# KiCad board RUSP_Mainboard.kicad_pcb (continued)
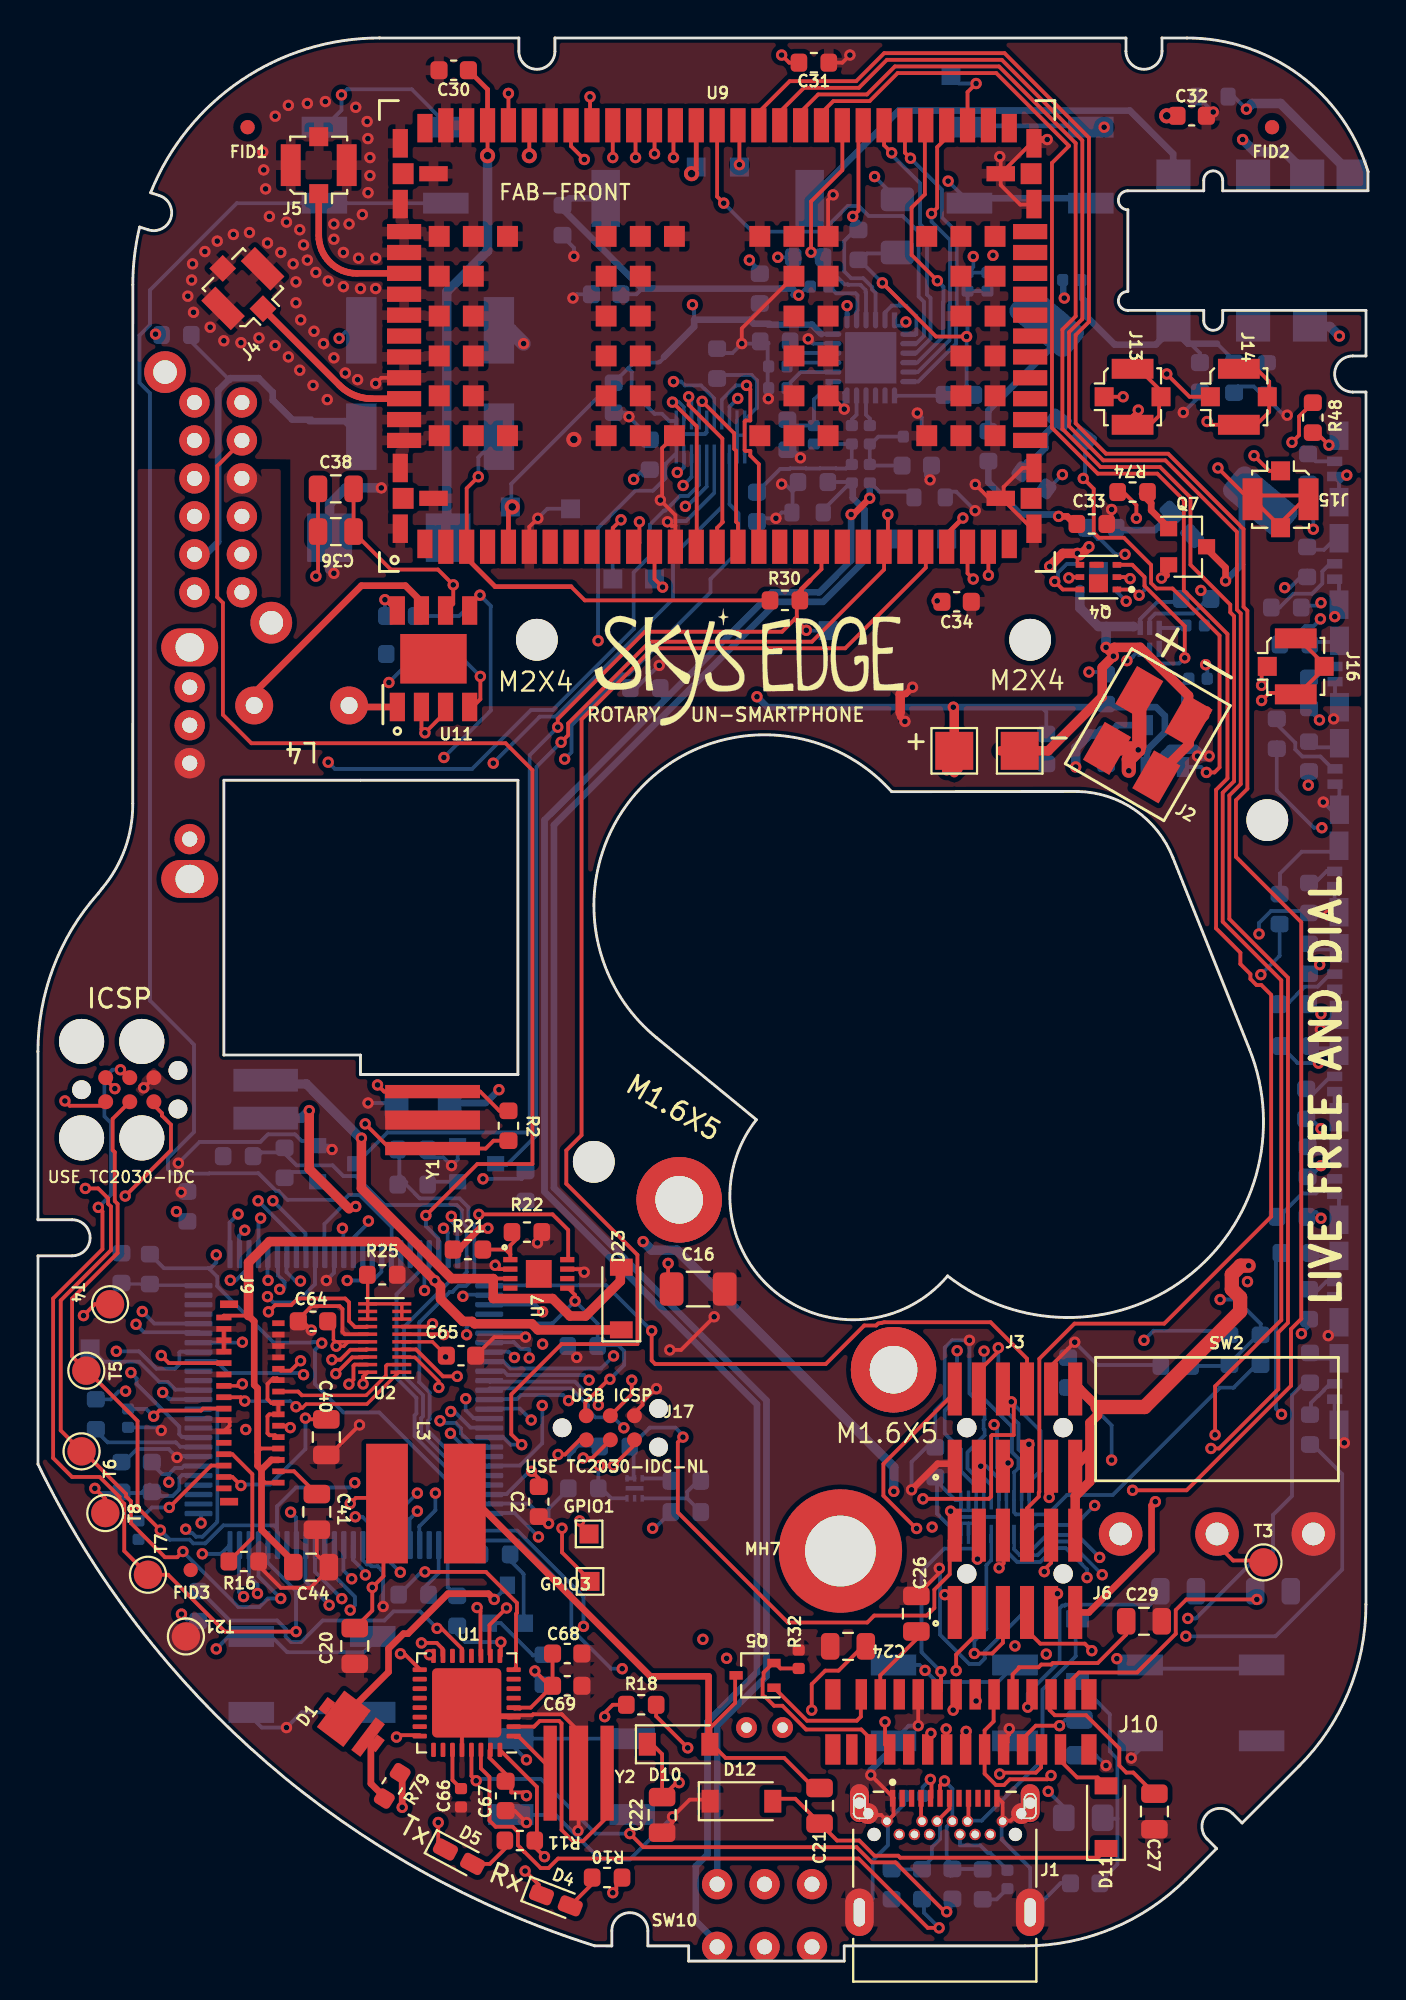
[diagram p0: board, top side]
## Routing (per net, layer and track width the routed paths; a pad name or vN(x,y) marks a point on that pad's centre or on a via; arc(x,y) is an arc through that point) (continued)
/LED_1R: length 70.3
  L2_3v3+GNDA.Cu w0.2: v1(60.61,18.05) 60.24,17.67 53.16,17.67 52.93,17.9 48.75,17.9 48.55,17.7 45.71,17.7 44.42,16.4 38.98,16.4 36.02,19.35 28.25,19.35 24.8,15.9 21.7,15.9 21.04,15.24 18.7,15.24 15.9,18.04 15.9,18.98 v1(16.02,19.09)
  L6_GND.Cu w0.2: 65.1,21.4 65.1,23.5 66.1,24.5 66.1,29.81 67.05,30.77 ; 14.6,21.95 14.6,20.51 v1(16.02,19.09) ; v1(60.61,18.05) 61.04,18.05 64.37,21.38 65.1,21.38
/LED_2A: length 70.1
  L2_3v3+GNDA.Cu w0.2: v1(16.46,18.49) 16.46,17.97 18.85,15.59 20.9,15.59 21.56,16.25 24.65,16.25 28.11,19.7 36.17,19.7 39.12,16.75 44.27,16.75 45.57,18.05 48.4,18.05 48.6,18.25 53.08,18.25 53.3,18.02 55.82,18.02 60,22.2 60,22.9 62.2,25.1 63.4,25.1 66.6,28.3 v1(66.6,33.05)
  L6_GND.Cu w0.2: 15.1,21.95 15.1,20.8 16.71,19.19 16.71,18.74 v1(16.46,18.49) ; 67.1,34 67.1,33.55 v1(66.6,33.05)
/LED_2R: length 67.6
  L2_3v3+GNDA.Cu w0.2: v1(65.55,28.8) 65.13,28.8 59.65,23.32 59.65,22.34 55.68,18.37 53.45,18.37 53.22,18.6 48.46,18.6 48.26,18.4 45.43,18.4 44.13,17.1 39.27,17.1 36.31,20.05 22.08,20.05 21.29,19.26 18.01,19.26 17.89,19.13 17.33,19.13 17.05,19.41 17.05,19.63 v1(16.54,20.14)
  L6_GND.Cu w0.2: 16.1,21.95 16.1,20.58 v1(16.54,20.14) ; v1(65.55,28.8) 65.25,29.1 65.25,37.15 65.5,37.4
/LED_3A: length 68.7
  L2_3v3+GNDA.Cu w0.2: v1(67.63,39.13) 67.63,34.87 65.41,32.64 65.41,29.8 59.1,23.49 59.1,22.29 55.54,18.73 53.59,18.73 53.37,18.95 48.26,18.95 48.06,18.75 45.28,18.75 43.98,17.45 39.41,17.45 36.46,20.4 21.17,20.4 20.46,19.7 18.52,19.7 17.88,20.34 v1(17.26,20.34)
  L6_GND.Cu w0.2: 67.1,39.45 67.38,39.45 67.63,39.2 v1(67.63,39.13) ; 16.6,21.9 16.6,21.14 17.26,20.48 v1(17.26,20.34)
/LED_3R: length 83
  L3_3v8+GNDA.Cu w0.2: v1(10.9,38.5) 13.7,38.5 14.15,38.05 16.11,38.05 17.81,36.35 18.95,36.35 19.83,35.47 19.83,35.1 20.15,34.77 20.53,34.77 21.94,33.36 21.94,32.15 22.65,31.44 22.65,30.65 25.55,27.75 25.73,27.75 26.05,27.43 26.05,27.25 27.94,25.36 33.62,25.36 33.89,25.63 46.57,25.63 47.95,24.25 48.33,24.25 48.63,23.95 52.02,23.95 56.52,28.45 65.09,28.45 65.29,28.25 66.37,28.25 69.05,30.93 69.05,40.48 v1(67.63,41.9)
  L6_GND.Cu w0.2: v1(10.9,38.5) 10.6,38.2 10.6,37.25 ; v1(67.63,41.9) 67.29,41.56 67.1,41.56 ; 67.25,41.55 66.9,41.2
/LED_4A: length 77.4
  L2_3v3+GNDA.Cu w0.2: v1(67.63,43.85) 68.18,43.3 68.18,41.07 67.08,39.97 67.08,34.87 60.44,28.23 56.53,28.23 53.27,24.97 53.08,24.97 52.75,24.65 52.75,24.58 52.52,24.35 49.25,24.35 48.15,25.45 35.16,25.45 34.11,24.4 29.97,24.4 29.91,24.46 24.21,24.46 21.37,27.3 19.19,27.3 17.19,29.3 15.4,29.3 14,30.7 v1(14,30.89)
  L6_GND.Cu w0.2: 67.1,44.38 v1(67.63,43.85) ; v1(14,30.89) 13.91,30.98 10.02,30.98 9.4,31.6 8.45,31.6
/LED_4R: length 69.2
  L2_3v3+GNDA.Cu w0.2: v1(67.5,47.3) 67.02,46.82 67.02,40.41 66.63,40.01 66.63,34.91 60.29,28.58 56.38,28.58 53.12,25.32 52.93,25.32 52.31,24.7 49.4,24.7 48.3,25.8 35.01,25.8 33.96,24.75 30.12,24.75 30.05,24.81 25.89,24.81 v1(21.76,28.95)
  L6_GND.Cu w0.2: 23.75,28.1 22.8,28.1 21.95,28.95 v1(21.76,28.95) ; 65.5,48.2 66.4,47.3 v1(67.5,47.3)
/LED_5A: length 69.5
  L2_3v3+GNDA.Cu w0.2: v1(67.63,49.9) 67.21,49.9 66.95,49.64 66.95,48.17 66.67,47.9 66.67,40.55 66.28,40.15 66.28,35.06 60.15,28.93 56.24,28.93 52.98,25.67 52.79,25.67 52.16,25.05 49.54,25.05 48.44,26.15 34.87,26.15 33.82,25.1 30.26,25.1 30.2,25.16 27.43,25.16 27.43,25.27 26.05,26.65 26.05,27.43 23.85,29.62 v1(22.55,29.62)
  L6_GND.Cu w0.2: v1(22.55,29.62) 22.55,29.01 22.96,28.6 23.75,28.6 ; v1(67.63,49.9) 67.23,50.3 67.05,50.3
/LED_5R: length 67
  L2_3v3+GNDA.Cu w0.2: v1(26,28.5) 26,27.97 26.4,27.57 26.4,26.9 27.79,25.51 30.34,25.51 30.41,25.45 33.67,25.45 34.72,26.5 49.21,26.5 49.43,26.72 50.8,26.72 53.36,29.28 60,29.28 65.93,35.2 65.93,40.3 66.32,40.69 66.32,51.25 v1(67.56,52.49)
  L6_GND.Cu w0.2: v1(67.56,52.49) 67.39,52.31 67,52.31 ; v1(26,28.5) 25.4,29.1 23.75,29.1
/LED_6A: length 70.6
  L2_3v3+GNDA.Cu w0.2: v1(64.36,54.11) 65.97,52.49 65.97,40.84 65.58,40.44 65.58,35.35 59.86,29.63 52.79,29.63 50.27,27.12 49.34,27.12 49.12,26.9 34.63,26.9 33.59,25.86 31.97,25.86 30.01,27.83 30.01,28.36 29.72,28.64 28.85,28.64 v1(27.97,29.52)
  L6_GND.Cu w0.2: v1(27.97,29.52) 27.67,29.82 25.46,29.82 25.24,29.6 23.75,29.6 ; 66.72,55.32 65,55.32 64.36,54.68 v1(64.36,54.11)
/LED_6R: length 67.6
  L2_3v3+GNDA.Cu w0.2: v1(30.88,28.09) 30.88,27.67 32.33,26.21 33.45,26.21 34.48,27.25 46.88,27.25 49.64,30.01 59.74,30.01 65.15,35.42 65.15,40.51 65.62,40.98 65.62,50.8 v1(64.46,51.96)
  L6_GND.Cu w0.2: 23.75,30.1 23.82,30.17 28.1,30.17 28.99,29.28 28.99,29.04 29.39,28.64 30.33,28.64 v1(30.88,28.09) ; R62.2 65.45,52.95 v1(64.46,51.96)
/LED_7A: length 78.1
  L2_3v3+GNDA.Cu w0.2: v1(29.54,29.29) 29.57,29.29 30.11,28.75 31.28,28.75 31.77,28.26 33.06,28.26 33.1,28.3 34.3,28.3 35,27.6 46.73,27.6 49.49,30.36 59.6,30.36 64.8,35.56 64.8,40.65 65.27,41.13 65.27,50.65 64.52,51.41 64.23,51.41 63.8,51.84 63.8,55.82 v1(67.68,59.7)
  L6_GND.Cu w0.2: 23.75,30.6 23.83,30.52 28.31,30.52 v1(29.54,29.29) ; 65.3,64.2 65.3,61.65 67.25,59.7 v1(67.68,59.7)
/LED_7R: length 75.7
  L2_3v3+GNDA.Cu w0.2: v1(66.96,61.94) 66.96,60.13 63.45,56.62 63.45,51.7 64.09,51.06 64.34,51.06 64.92,50.48 64.92,41.27 64.45,40.8 64.45,35.71 59.45,30.71 49.35,30.71 46.59,27.95 42.71,27.95 42.45,28.2 36.7,28.2 35.2,29.7 33.83,29.7 32.83,30.7 32.37,30.7 31.37,29.7 29.95,29.7 v1(29.05,30.6)
  L6_GND.Cu w0.2: v1(29.05,30.6) 28.79,30.87 24.76,30.87 24.53,31.1 23.75,31.1 ; 67,62.96 67,61.98 v1(66.96,61.94)
/LED_8A: length 86.4
  L3_3v8+GNDA.Cu w0.2: v1(25.12,31.79) 25.12,31.6 27.74,28.97 28.2,28.97 28.36,29.14 31.79,25.71 33.48,25.71 33.75,25.98 46.71,25.98 48.09,24.6 48.48,24.6 48.78,24.3 51.87,24.3 56.67,29.1 64.96,29.1 67.15,31.29 67.15,33.29 67.05,33.39 67.05,42.11 67.71,42.77 68.04,42.77 68.92,43.65 68.92,64 v1(67.55,65.37)
  L6_GND.Cu w0.2: v1(25.12,31.79) 24.81,32.1 23.75,32.1 ; 67,65.92 v1(67.55,65.37)
/LED_8R: length 93.6
  L3_3v8+GNDA.Cu w0.2: v1(25.9,31.77) 26.65,31.77 28.84,29.57 28.84,29.19 31.97,26.06 33.33,26.06 33.6,26.33 46.87,26.33 48.25,24.95 48.62,24.95 48.92,24.65 51.73,24.65 53.18,26.1 53.18,28.6 54.03,29.45 62.21,29.45 66.69,33.93 66.69,42.24 67.56,43.12 67.9,43.12 68.57,43.79 68.57,61.11 67,62.68 67,70.1 v1(67.6,70.7)
  L6_GND.Cu w0.2: v1(25.9,31.77) 25.9,32.19 25.84,32.25 25.44,32.25 25.09,32.6 23.75,32.6 ; v1(67.6,70.7) 67.53,70.7 67.53,70.6 67.25,70.32 66.8,70.32 66.43,69.95 66.1,69.95 65.5,69.35
/LED_9A: length 99
  L3_3v8+GNDA.Cu w0.2: v1(67.63,71.55) 66.28,70.2 66.28,34.01 62.07,29.8 53.88,29.8 50.48,26.4 50.14,26.4 49.92,26.62 49.47,26.62 49.25,26.4 47.9,26.4 47.25,27.05 39.31,27.05 30.68,35.68 22.69,35.68 21.66,36.7 17.95,36.7 v1(16.05,38.6)
  L6_GND.Cu w0.2: v1(16.05,38.6) 16.1,38.55 16.1,37.25 ; 66.8,71.4 67.48,71.4 v1(67.63,71.55)
/LED_9R: length 110
  L3_3v8+GNDA.Cu w0.2: v1(65.72,72.35) 63.01,69.64 63.01,54.73 63.81,53.92 63.81,53.88 64.14,53.56 64.18,53.56 65.89,51.85 65.89,34.12 61.92,30.15 53.74,30.15 50.34,26.75 50.29,26.75 50.07,26.97 49.32,26.97 49.1,26.75 48.15,26.75 47.5,27.4 39.45,27.4 29.81,37.05 27.35,37.05 26.88,36.58 25.78,36.58 25.11,37.25 18.37,37.25 14.87,40.75 11.53,40.75 10.55,39.77 v1(10.55,39.35)
  L6_GND.Cu w0.2: v1(65.72,72.35) 66,72.35 66.9,73.25 ; 10.1,37.25 10.1,38.9 v1(10.55,39.35)
/LED_10A: length 100.7
  L3_3v8+GNDA.Cu w0.2: v1(67.23,75.42) 67.23,75 62.66,70.43 62.66,54.54 65.54,51.66 65.54,34.54 64.25,33.25 37.11,33.25 35.87,34.49 34.42,34.49 28.51,40.39 18.83,40.39 v1(17.42,38.98)
  L6_GND.Cu w0.2: v1(17.42,38.98) 17.42,38.88 16.6,38.06 16.6,37.25 ; 67.05,77.85 67.05,77.05 67.23,76.88 v1(67.23,75.42)
/LED_10R: length 95.4
  L1_GND+GNDA.Cu w0.2: R48.2 66.47,81.36 66.47,80.37 v1(66.1,80)
  L2_3v3+GNDA.Cu w0.2: v1(30.34,31.88) 31.34,31.88 31.62,31.6 40.46,31.6 43.76,28.3 46.44,28.3 49.21,31.06 59.31,31.06 63.76,35.51 v1(63.76,35.79)
  L3_3v8+GNDA.Cu w0.2: v1(66.1,80) 66.1,74.52 62.31,70.73 62.31,54.19 64.11,52.39 63.91,52.19 63.91,50.6 65.15,49.36 65.15,37.18 v1(63.76,35.79)
  L6_GND.Cu w0.2: 23.75,31.6 24.52,31.6 24.9,31.22 29.68,31.22 v1(30.34,31.88)
/LED_BELL: length 1.4
  L6_GND.Cu w0.2: 22.1,21.95 23.05,21.95 23.4,21.6
/LED_FILAMENT: length 89.9
  L1_GND+GNDA.Cu w0.2: v1(57.9,76) 57.9,76.69 57.21,77.38
  L4_GND.Cu w0.2: 23.9,40.65 23.25,40.65 22.34,39.74 22.34,38.68 18.25,34.58 14.37,34.58 13.5,33.71 13.5,32.4 12.1,31 7.62,31 v1(6.58,29.95) ; 23.86,40.61 27.45,44.2 27.45,61.49 28.62,62.67 28.62,69.93 32.7,74.01 53.69,74.01 55.38,75.7 57.6,75.7 v1(57.9,76)
  L6_GND.Cu w0.2: 8.45,29.6 6.93,29.6 v1(6.58,29.95)
/LED_STAT: length 99.7
  L4_GND.Cu w0.2: v1(57.3,74.1) 54.15,70.95 53,70.95 52.9,71.05 30.24,71.05 28.97,69.79 28.97,62.52 27.8,61.35 27.8,44.01 23.67,39.88 22.98,39.88 22.69,39.6 22.69,36.83 20.63,34.77 20.63,34.33 19.7,33.4 19.7,31.9 15.92,28.12 15.05,28.12 12.53,25.6 10.35,25.6 7.79,23.04 v1(7.79,22.75)
  L6_GND.Cu w0.2: v1(57.3,74.1) 56.8,74.1 56,74.9 55.86,74.9 R44.2 ; v1(7.79,22.75) 7.99,22.55 8.14,22.55 8.33,22.35 8.68,22.35 9.45,23.13 9.45,29.05 9.4,29.1 8.7,29.1
/MCURX-TO-FTDITX: length 2.8
  L6_GND.Cu w0.2: 21.6,21.9 21.6,19.7 22.05,19.25
/MCUTX-TO-FTDIRX: length 2.7
  L6_GND.Cu w0.2: 20.29,19.6 21.12,20.44 U4.3
/MISO: length 98.6
  L1_GND+GNDA.Cu w0.2: T6.1 1.2,27.95 1.2,34.8 3.85,37.45 3.85,39.74 3.7,39.89 3.7,40.18 3.18,40.7 v1(2.5,40.7) ; 2.35,26.9 4.65,24.6 4.65,24.48 4.9,24.22 4.9,23.07 6.69,21.27 7.34,21.27 v1(7.64,21.57) ; v1(51.14,26.24) 50.96,26.06 J3.5 ; J7.1 3.36,45.05 1.67,45.05 v1(1.42,45.31)
  L2_3v3+GNDA.Cu w0.2: v1(2.5,40.7) 3.9,42.1 3.9,44 2.85,45.05 1.67,45.05 v1(1.42,45.31) ; v1(51.5,16.6) 50.95,17.15 48.98,17.15 48.84,17 46,17 44.71,15.7 38.13,15.7 35.18,18.65 28.66,18.65 25.2,15.2 21.99,15.2 21.33,14.54 17.79,14.54 13.22,19.1 v1(12.8,19.1)
  L5_3v8.Cu w0.2: 51.45,16.85 51.45,16.5 ; 51.45,16.85 51.45,16.85 ; 51.45,16.85 51.45,19.6 51.62,19.77 51.62,25.75 v1(51.14,26.24)
  L6_GND.Cu w0.2: U4.22 11.62,20.28 v1(12.8,19.1) 12.13,19.1 11.68,18.65 10.57,18.65 v1(7.64,21.57)
/MOSI: length 134
  L1_GND+GNDA.Cu w0.2: J3.4 49.59,31.08 50.62,32.11 v1(50.62,32.31) ; v1(4.35,46.95) 4.77,46.53 J7.4 ; v1(3.18,39.7) 3.4,39.49 3.4,37.5 0.8,34.9 0.8,26.5 1.8,25.5 3.26,25.5 4.3,24.46 4.3,24.33 4.55,24.08 4.55,21.6 T7.1 6.86,20.35 9.86,17.36 v1(13.61,17.36) ; v1(12.15,34.2) 12.5,34.55 13.35,34.55 13.7,34.9 16.2,34.9 16.4,34.7 16.4,33.71 16.71,33.4 17.3,33.4 17.32,33.42 U2.14
  L2_3v3+GNDA.Cu w0.2: v1(12.15,34.2) 12.3,34.05 12.3,30.6 12.16,30.46 12.16,18.8 v1(13.61,17.36) 17.48,13.48 21.76,13.48 22.43,14.15 26.96,14.15 28.76,15.95 34.05,15.95 v1(35.05,16.95)
  L3_3v8+GNDA.Cu w0.2: v1(47.13,22.86) 47.13,22.44 46.45,21.75 46.45,19.55 44.15,17.25 35.35,17.25 v1(35.05,16.95)
  L5_3v8.Cu w0.2: v1(50.62,32.31) 50.62,28.87 50.95,28.54 50.95,28 49.57,26.62 49.44,26.62 47.28,24.45 47.28,24.18 47.21,24.11 47.21,22.93 v1(47.13,22.86)
  L6_GND.Cu w0.18: U8.19 51.85,25.64
  L6_GND.Cu w0.2: v1(13.61,17.36) 13.61,19.49 12.1,21 12.1,21.95 ; v1(50.62,32.31) 50.62,29.37 51.68,28.3 51.68,26.96 52.04,26.61 52.04,25.83 51.85,25.64 ; v1(4.35,46.95) 3.93,46.95 3.5,46.53 3.5,44.5 3.85,44.15 3.85,40.37 v1(3.18,39.7)
/NET_STAT: length 70.6
  L1_GND+GNDA.Cu w0.2: U9.25 46.8,73.4 42.55,69.15 32.4,69.15 28.65,65.4 28.65,43.5 27.85,42.7 27.85,40.95 31.6,37.2 31.6,32.5 27.6,32.5 24.95,29.85 24.95,27.75 v1(25.5,27.2) ; 46.8,73.9 46.8,74.7
  L6_GND.Cu w0.2: v1(25.5,27.2) 24.92,27.2 24.5,27.62 23.83,27.62
/OFFSIGNAL: length 62.4
  L1_GND+GNDA.Cu w0.2: 10.8,80.1 9.45,78.75 9.45,71.85 9.75,71.55 9.75,65.65 11.25,64.15 24.65,64.15 26.07,62.73 26.07,41.99 23.16,41.99 v1(20.45,39.27)
  L6_GND.Cu w0.2: v1(20.45,39.27) 20.45,38.71 21.1,38.06 21.1,37.25
/OLED DRIVER/OLED_CS_3V3: length 10.3
  L1_GND+GNDA.Cu w0.18: v1(13.6,29.2) 13.82,29.2 13.88,29.14 13.94,29.14 14.14,29.34 17.34,29.34 19.02,31.02 U2.1
  L1_GND+GNDA.Cu w0.2: J9.17 10.7,29.7 v1(10.9,29.5)
  L6_GND.Cu w0.18: v1(13.6,29.2) 13.3,29.5 v1(10.9,29.5)
/OLED DRIVER/OLED_DC_3V3: length 14.9
  L1_GND+GNDA.Cu w0.18: v1(21.13,30.22) 21.13,30.54 19.87,31.8 19.3,31.8 19.28,31.82 U2.3 ; J9.19 10.5,30.3 10.6,30.4 v1(10.78,30.4)
  L3_3v8+GNDA.Cu w0.18: v1(10.78,30.4) 11.28,29.9 15.08,29.9 15.48,29.5 17.56,29.5 18.08,30.03 18.53,30.03 18.56,30 20.91,30 v1(21.13,30.22)
/OLED DRIVER/OLED_IREF: length 7
  L1_GND+GNDA.Cu w0.2: R16.1 11.3,22.29 11.3,25.65 10.25,26.7 J9.7
/OLED DRIVER/OLED_MOSI_3V3: length 20.7
  L1_GND+GNDA.Cu w0.2: v1(6.5,31.9) 6.9,31.5 J9.23 ; U2.7 20.65,33.42 v1(20.8,33.57)
  L3_3v8+GNDA.Cu w0.2: v1(20.8,33.57) 20.07,34.3 13.7,34.3 13.3,33.9 12.63,33.9 11.88,33.15 8.85,33.15 7.6,31.9 v1(6.5,31.9)
/OLED DRIVER/OLED_RES_3V3: length 7.6
  L1_GND+GNDA.Cu w0.18: 13.91,29.8 17.3,29.8 18.34,30.84 18.34,31.35 18.41,31.42 U2.2
  L1_GND+GNDA.Cu w0.2: J9.18 13.71,30 13.91,29.8
/OLED DRIVER/OLED_SCL_3V3: length 14.6
  L1_GND+GNDA.Cu w0.2: v1(22.1,30.8) 21.35,30.8 19.93,32.22 U2.4 ; v1(13.84,31.62) 13.32,31.1 12.8,31.1 12.7,31.2 J9.22
  L3_3v8+GNDA.Cu w0.2: v1(22.1,30.8) 18.38,30.8 17.42,29.84 15.62,29.84 14.55,30.91 14.55,31.12 14.23,31.44 14.03,31.44 13.76,31.7
/OLED DRIVER/OLED_VCOMH: length 2.5
  L1_GND+GNDA.Cu w0.2: J9.4 13.5,25.8 C41.1
/OLED DRIVER/OLED_VLOGIC: length 5.7
  L1_GND+GNDA.Cu w0.2: J9.5 9.13,26.1 v1(6.92,23.9)
  L6_GND.Cu w0.2: C45.2 6.01,23.9 v1(6.92,23.9)
/OLED DRIVER/OLED_VP: length 8.1
  L1_GND+GNDA.Cu w0.2: v1(14.1,28.6) 14.16,28.54 C40.1 ; J9.3 10.25,25.5 v1(10.7,25.05)
  L6_GND.Cu w0.2: v1(14.1,28.6) 14.1,26.98 12.22,25.1 10.7,25.1 v1(10.7,25.05)
/OLED_CS: length 16
  L1_GND+GNDA.Cu w0.2: v1(17.14,30.4) 17.14,30.78 U2.20
  L2_3v3+GNDA.Cu w0.2: v1(26.6,34.2) 26.5,34.1 25.8,34.1 25.78,34.12 18.72,34.12 17.14,32.54 v1(17.14,30.4)
  L6_GND.Cu w0.2: U4.78 26.23,34.57 v1(26.6,34.2)
/OLED_DC: length 15.4
  L1_GND+GNDA.Cu w0.2: v1(15.7,30.94) 16.56,31.8 17.1,31.8 17.12,31.82 U2.18
  L5_3v8.Cu w0.2: v1(15.7,30.94) 14.96,30.94 14.9,31 14.9,31.84 13.14,33.6 11.85,33.6 11.5,33.95 11.5,36 11.8,36.3 11.8,39.2 v1(11.74,39.14)
  L6_GND.Cu w0.2: U4.54 11.62,39.02 v1(11.74,39.14)
/OLED_RES: length 13.5
  L1_GND+GNDA.Cu w0.2: U2.19 16.69,31.42 16.63,31.36 16.63,30.63 v1(16.39,30.39)
  L5_3v8.Cu w0.2: v1(10.14,35.86) 10.1,35.82 10.1,35.5 10.45,35.15 10.45,34.45 12.65,32.25 13.99,32.25 14.55,31.69 14.55,30.85 15.01,30.39 v1(16.39,30.39)
  L6_GND.Cu w0.2: U4.53 11.12,37.22 11.1,37.2 11.1,36.52 10.44,35.86 v1(10.14,35.86)
/PDn: length 40.9
  L1_GND+GNDA.Cu w0.2: J6.10 53.4,20.98 53.05,20.62 v1(53.05,20.51)
  L2_3v3+GNDA.Cu w0.2: v1(53.05,20.51) 52.03,19.5 48.52,19.5 48.1,19.92 48.1,20.05 46.09,20.05 43.84,17.8 39.55,17.8 36.3,21.05 19.67,21.05 v1(19.1,20.48)
  L6_GND.Cu w0.2: v1(19.1,20.48) 18.6,20.98 18.6,21.95
/POWSW4: length 84.6
  L1_GND+GNDA.Cu w0.5: v1(53.3,24.42) 53.3,25.9 53.42,26.03
  L2_3v3+GNDA.Cu w0.5: 8.3,76.2 9.55,74.95 9.55,70.33 11.1,68.77 21.23,68.77 26.7,63.3 26.7,52.5 31.15,48.05 31.15,38.65 v1(31.9,37.9) ; v1(53.3,24.42) 52.73,23.85 49.05,23.85 48.42,24.48 47.89,24.48 46.96,23.55 46.31,23.55 v1(45.12,24.74)
  L6_GND.Cu w0.5: v1(45.12,24.74) 45.12,26.01 33.68,37.45 32.35,37.45 v1(31.9,37.9)
/RELAY_OFF: length 50.3
  L1_GND+GNDA.Cu w0.2: v1(49.52,21.18) 49.55,21.2 49.55,22.15
  L2_3v3+GNDA.Cu w0.2: v1(12.13,35.86) 12.43,36.16 12.79,36.16 13.29,35.65 13.29,30.61 15,28.9 17.09,28.9 19.11,26.88 21.24,26.88 24,24.11 29.76,24.11 29.83,24.05 34.25,24.05 35.3,25.1 43.76,25.1 45.76,23.1 45.76,22.53 46.81,21.48 49.22,21.48 v1(49.52,21.18)
  L6_GND.Cu w0.2: v1(12.13,35.86) 12.1,35.88 12.1,37.25
/RESET: length 40.3
  L1_GND+GNDA.Cu w0.2: v1(3,24.9) 3.55,24.35 T8.1 ; J7.5 6.11,45.09 6.53,44.67 6.53,44.53 7.01,44.06 7.01,42.71 v1(4.6,40.3)
  L2_3v3+GNDA.Cu w0.2: v1(3,24.9) 7.56,20.34 v1(7.56,18.28)
  L3_3v8+GNDA.Cu w0.2: v1(3,24.9) 2.7,25.2 2.7,29.43 3.2,29.93 3.2,38.9 v1(4.6,40.3)
  L6_GND.Cu w0.2: v1(3,24.9) 3.25,24.65 5.45,24.65 5.9,25.1 ; 8.47,18 7.84,18 v1(7.56,18.28) ; 8.4,25.6 7.6,25.6 7.45,25.45 7.45,24.85 7.1,24.5 6.5,24.5 6,25 6,25.01
/RINGER+: length 61.4
  L1_GND+GNDA.Cu w0.2: 22.7,65.85 23.32,66.47 v1(23.32,67.67)
  L5_3v8.Cu w0.2: v1(4.13,32.12) 4.91,32.12 8.1,35.31 8.1,42.97 6.53,44.53 6.53,47.27 7.03,47.76 7.03,53.77 5.5,55.3 5.5,58.9 11,64.4 17.41,64.4 18.5,65.49 v1(18.5,67.35)
  L6_GND.Cu w0.2: 8.45,32.1 7.5,32.1 7.45,32.05 7.45,31.44 7.21,31.2 6.24,31.2 5.32,32.12 v1(4.13,32.12) ; v1(23.32,67.67) 22.14,68.85 R23.1 19.94,68.79 v1(18.5,67.35)
/RINGER-: length 63.2
  L1_GND+GNDA.Cu w0.2: v1(23.3,71.95) 22.75,71.4 22.75,71
  L5_3v8.Cu w0.2: v1(10.78,32.6) 10.78,33.42 9.9,34.3 9.9,34.25 8.48,35.67 8.48,52.82 5.85,55.44 5.85,58.5 11.25,63.9 20.9,63.9 v1(21.4,63.4)
  L6_GND.Cu w0.2: U4.44 10.75,32.57 v1(10.78,32.6) ; R24.1 22.2,70.85 v1(23.3,71.95) 23.87,71.38 23.87,65.87 v1(21.4,63.4)
/SCK: length 97.7
  L1_GND+GNDA.Cu w0.2: v1(51.31,29.46) 51.3,29.45 51,29.45 ; U2.17 17.32,32.22 17.3,32.2 16.47,32.2 15.94,31.68 v1(15.49,31.68) ; J7.3 3.94,44.36 3.94,42.72 4.05,42.61 4.05,40.04 4.2,39.89 4.2,37.3 1.8,34.9 1.8,31.85 T5.1 ; v1(46.65,24.35) 50.13,24.35 50.24,24.47 50.24,27.66 50.29,27.71 51.44,27.71 51.44,29.39 50.8,30.03 ; 2.55,31.15 5.25,28.45 5.25,23.9 v1(6.45,22.7)
  L3_3v8+GNDA.Cu w0.2: v1(16.7,25.2) 21.6,25.2 21.88,24.92 35.62,24.92 35.85,25.15 43.89,25.15 44.99,24.05 46.35,24.05 v1(46.65,24.35)
  L5_3v8.Cu w0.2: v1(15.49,31.68) 16.64,31.68 17.7,30.62 17.7,26.2 v1(16.7,25.2)
  L6_GND.Cu w0.18: U8.20 52.25,25.15 52.21,25.19
  L6_GND.Cu w0.2: v1(6.45,22.7) 6.95,22.2 7.99,22.2 8.19,22 8.82,22 9.77,22.95 12.45,22.95 12.6,22.8 ; v1(16.7,25.2) 16.45,24.95 13.6,24.95 12.6,23.95 12.6,22.8 ; 12.6,22.8 12.6,22.1 ; 52.21,25.19 52.85,25.83 52.85,27.92 v1(51.31,29.46)
/SD_CD: length 38.4
  L1_GND+GNDA.Cu w0.2: v1(52.23,27.22) 52.23,26.16 52.14,26.06
  L3_3v8+GNDA.Cu w0.2: v1(22.4,35.02) 22.58,35.2 26.75,35.2 29.82,32.13 29.79,32.1 29.79,31.53 30.02,31.3 32.9,31.3 37.5,26.7 47.1,26.7 48.5,25.3 48.77,25.3 48.84,25.23 50.91,25.23 52.23,26.55 v1(52.23,27.22)
  L6_GND.Cu w0.2: 23.87,35.1 22.48,35.1 v1(22.4,35.02)
/SD_CS: length 34.3
  L1_GND+GNDA.Cu w0.2: 52.14,30.13 52.14,31.73 50.21,33.65 44.6,33.65 44.45,33.62 44.45,33.61 44.29,33.58 44.18,33.48 43.55,33.48 41.53,31.45 32.54,31.45 32.35,31.64 v1(32.35,33.2)
  L6_GND.Cu w0.2: 23.8,35.6 29.95,35.6 v1(32.35,33.2)
/SIM_CLK: length 105.3
  L1_GND+GNDA.Cu w0.2: 41.35,96.5 41.35,97.4 41.92,97.97 43.84,97.97 45.31,99.45 50.51,99.45 54.35,95.61 53.45,94.71 53.45,80.76 55.86,78.35 59,78.35 60.4,76.95 60.4,72.2 62.7,69.9 62.7,62.29 62.1,61.69 62.1,54.4 63.38,53.12 63.38,52.52 63.91,51.99 63.91,51.73 64.23,51.41 64.49,51.41 65.01,50.89 65.01,39.22 59.37,33.58 54.64,33.58 52.78,31.73 52.78,24.72 52.76,24.69 52.76,24.47 52.14,23.85 52.14,22.44
/SIM_IO: length 109.1
  L1_GND+GNDA.Cu w0.2: 40.2,96.6 40.2,97.4 41.13,98.32 43.69,98.32 45.17,99.8 50.66,99.8 54.7,95.76 54.7,86.64 54,85.94 54,80.71 56.01,78.7 59.15,78.7 60.75,77.1 60.75,73.55 62.85,71.45 62.85,71.04 63.05,70.84 63.05,62.15 62.45,61.55 62.45,54.75 65.54,51.66 65.54,33.77 62.05,30.28 v1(62.05,27.72) ; v1(53.74,19.35) 53.4,19.01
  L3_3v8+GNDA.Cu w0.2: v1(62.05,27.72) 61.62,27.72 61.28,27.38 61.28,24.38 55.95,19.05 54.04,19.05 v1(53.74,19.35)
/SIM_RST: length 115.8
  L1_GND+GNDA.Cu w0.2: v1(61.83,27) 62.26,27 65.38,30.13 65.38,33.11 65.89,33.62 65.89,51.8 62.8,54.89 62.8,61.4 63.4,62 63.4,70.99 63.2,71.19 63.2,75.28 59.43,79.05 56.16,79.05 54.35,80.86 54.35,85.8 55.05,86.5 55.05,95.9 50.8,100.15 44.75,100.15 43.27,98.67 40.38,98.67 39.1,97.4 U9.58 ; v1(55.55,16.35) 55.18,16.72 52.83,16.72 52.15,17.4 52.15,18.3
  L3_3v8+GNDA.Cu w0.2: v1(61.83,27) 61.83,24.44 55.55,18.16 v1(55.55,16.35)
/SW_CLEAR: length 86.8
  L5_3v8.Cu w0.2: v1(16.3,35.85) 17.84,35.85 21,39.01 21,39.63 24.18,42.81 24.18,44.27 25.68,45.77 25.68,60.77 25.9,60.99 25.9,65.75 28.9,68.75 28.9,80.66 36.79,88.55 42.77,88.55 v1(47.98,93.76)
  L6_GND.Cu w0.2: v1(16.3,35.85) 17.65,35.85 18.1,36.3 18.1,37.25 ; 48.9,92.6 48.9,92.84 v1(47.98,93.76)
  L6_GND.Cu w0.35: 55.57,92.5 55.21,92.86 49.16,92.86 48.9,92.6
/SW_HOOK: length 80.9
  L6_GND.Cu w0.2: 21.7,92.6 14.6,92.6 ; 14.9,92.6 10.49,92.6 5.9,88.01 5.9,86.18 5.35,85.63 5.35,83.14 5.9,82.59 5.9,50.6 8.23,48.27 8.23,43.67 6.85,42.29 6.85,41.72 7.09,41.48 9.02,41.48 9.04,41.5 11.62,41.5 12.55,40.57 12.67,40.57 13.15,40.1 16.13,40.1 16.37,40.35 16.96,40.35 18.65,38.66 18.65,37.33
/SW_MODE1: length 34.4
  L4_GND.Cu w0.2: SW1.4 5.32,64.42 5.32,52.06 8.4,48.99 8.4,43.25 v1(11.6,40.05)
  L6_GND.Cu w0.2: 13.6,37.23 13.6,38.05 v1(11.6,40.05)
/SW_MODE2: length 32
  L4_GND.Cu w0.2: v1(12.38,40.05) 8.75,43.68 8.75,52.57 6,55.32 6,62.7 8.4,65.1
  L6_GND.Cu w0.2: v1(12.38,40.05) 14.1,38.33 14.1,37.49
/SW_MODE3: length 35.7
  L3_3v8+GNDA.Cu w0.2: v1(12.1,35) 9.7,35 6.6,38.1 6.6,42.04 8.23,43.67 8.23,48.77 6.7,50.3 6.6,50.3 6,50.9 6,57.83 7.27,59.1 8.4,59.1
  L6_GND.Cu w0.2: v1(12.1,35) 12.4,34.7 13.65,34.7 14.6,35.65 14.6,37.25
/SW_MULTI1: length 60.8
  L2_3v3+GNDA.Cu w0.2: v1(56.87,15.93) 56.54,15.6 49.15,15.6 48.85,15.9 46.57,15.9 44.79,14.12 29.08,14.12 28.57,13.61 22.39,13.61 21.91,13.13 17.02,13.13 12.21,17.94 12.1,17.94 11.81,18.23 11.81,19.12 v1(11.57,19.36)
  L6_GND.Cu w0.2: SW3.1 57.2,15.6 v1(56.87,15.93) ; v1(11.57,19.36) 11.57,19.83 11.12,20.28 U4.23 ; 64.7,15.6 64.5,15.4 57.9,15.4
/SW_MULTI2: length 54.4
  L2_3v3+GNDA.Cu w0.2: v1(46.76,15.31) 46.48,15.31 44.94,13.77 33.39,13.77 29.67,10.05 19,10.05 8.66,20.39 v1(8.66,21.45)
  L6_GND.Cu w0.2: v1(8.66,21.45) 9.65,21.45 10.1,21.9 ; SW6.1 46.47,15.6 v1(46.76,15.31) 47.37,14.7 50.6,14.7 SW6.1
/SW_MULTI3: length 29.9
  L2_3v3+GNDA.Cu w0.2: v1(25.75,10.6) 18.94,10.6 10.84,18.7 v1(10.84,19.2)
  L6_GND.Cu w0.2: 24.73,11.71 31.61,11.71 ; v1(10.84,19.2) 10.6,19.44 10.6,21.95 ; v1(25.75,10.6) 24.95,11.4 24.95,11.65
/SW_MULTI4: length 17.3
  L3_3v8+GNDA.Cu w0.2: v1(8.6,23.07) 9.4,22.28 v1(9.4,16.44)
  L6_GND.Cu w0.2: SW8.1 10.06,17.1 v1(9.4,16.44) ; 18,17.1 17.17,16.27 13.14,16.27 12.31,17.1 11.05,17.1 ; 8.5,23.6 8.6,23.5 v1(8.6,23.07)
/SW_ROTARY: length 60
  L1_GND+GNDA.Cu w0.2: 64.8,21.1 63,21.1 62.2,21.9 62.2,22.5
  L2_3v3+GNDA.Cu w0.2: v1(36.3,15.95) 36.95,15.3 44.8,15.3 46.15,16.65 48.99,16.65 49.12,16.78 50.5,16.78 51.24,16.05 51.76,16.05 52.61,16.9 58.5,16.9 58.84,16.56 60.89,16.56 62.25,17.92 62.25,22.35
  L5_3v8.Cu w0.2: v1(20,23.7) 20,23.6 19.8,23.4 19.8,21.89 22.6,19.09 22.6,17.25 23.9,15.95 v1(36.3,15.95)
  L6_GND.Cu w0.2: 19.6,21.95 19.6,23.3 v1(20,23.7)
/USB PORT AND BRIDGE/16U2_MISO: length 17.1
  L1_GND+GNDA.Cu w0.2: J17.1 28.56,27.46 27.78,26.68 v1(27.42,26.68) ; 20.15,15.35 19.36,16.14 19.1,16.14
  L4_GND.Cu w0.2: v1(27.42,26.68) 27.42,26.42 19.1,18.1 19.1,16.2 v1(19.11,16.19)
/USB PORT AND BRIDGE/16U2_MOSI: length 22.6
  L1_GND+GNDA.Cu w0.2: v1(20.63,16.14) 20.69,16.07 U1.16 ; v1(31.3,30.6) 31.3,29.85 J17.4
  L4_GND.Cu w0.2: v1(31.3,30.6) 31.3,29.96 28.2,26.85 28.2,26.69 20.14,18.63 20.14,17.46 19.66,16.99 19.66,16.53 20.06,16.14 v1(20.63,16.14)
/USB PORT AND BRIDGE/16U2_RESET: length 29.6
  L1_GND+GNDA.Cu w0.2: v1(18.9,11.8) 19,11.9 20.12,11.9 ; v1(29.87,12.87) 29.87,12.93 29.8,13 30.3,13.5 R18.1 ; v1(30.34,26.1) 31.44,27.2 J17.5
  L2_3v3+GNDA.Cu w0.2: v1(29.87,12.87) 28.82,11.82 18.92,11.82 v1(18.9,11.8)
  L4_GND.Cu w0.2: v1(30.34,26.1) 30.34,25.88 30.01,25.54 29.87,25.54 v1(29.87,12.87)
/USB PORT AND BRIDGE/16U2_SCK: length 16.7
  L1_GND+GNDA.Cu w0.2: J17.3 29.21,26.5 v1(28.74,26.5) ; v1(20.21,16.76) 21.02,16.76 21.33,16.46 21.33,16.07
  L4_GND.Cu w0.2: v1(20.21,16.76) 20.49,17.04 20.49,18.25 v1(28.74,26.5)
/USB PORT AND BRIDGE/FTDI-RESET: length 17
  L1_GND+GNDA.Cu w0.2: U1.13 22.35,16.45 21.27,17.53 v1(21.04,17.53)
  L6_GND.Cu w0.2: v1(21.04,17.53) 20.14,18.42 18.75,18.42 18.26,17.94 15.01,17.94 13.87,16.81 13.34,16.81 13.06,17.09 13.06,17.49 12.61,17.94 10.11,17.94 8.55,19.5
/USB PORT AND BRIDGE/FTDI-RX: length 10.6
  L1_GND+GNDA.Cu w0.2: U1.8 25.2,15.47 25.2,18.29 25.25,18.34 25.25,18.86 23.61,20.5 v1(20.4,20.5)
  L6_GND.Cu w0.2: 19.31,19.6 20.21,20.5 v1(20.4,20.5)
/USB PORT AND BRIDGE/FTDI-TX: length 3.6
  L1_GND+GNDA.Cu w0.2: 24.4,16.07 v1(24.4,16.8)
  L6_GND.Cu w0.2: v1(24.4,16.8) 22.52,16.8 22.1,17.22 R8.1
/VSIM: length 117.2
  L1_GND+GNDA.Cu w0.2: U9.59 38,97.4 39.62,99.02 43.13,99.02 44.61,100.5 50.95,100.5 55.4,96.05 55.4,86.35 54.7,85.65 54.7,81 56.3,79.4 59.57,79.4 63.55,75.43 63.55,71.33 63.75,71.13 63.75,61.75 63.15,61.15 63.15,58.17 66.59,54.72 66.59,33.83 66.05,33.29 66.05,30.3 60.55,24.8 v1(57.7,24.8) ; J6.6 50.86,22.99 50.9,23.03 50.9,20.95 v1(50.66,20.71)
  L3_3v8+GNDA.Cu w0.2: v1(50.66,20.71) 54.75,24.8 v1(57.7,24.8)
LL_OE: length 142.7
  L1_GND+GNDA.Cu w0.2: v1(49.36,16.2) 50.3,16.2 50.86,16.77 50.86,18.36 ; v1(21.39,33) 21.37,33.02 U2.6
  L2_3v3+GNDA.Cu w0.2: v1(30.8,15.4) 31.25,14.95 44.94,14.95 46.24,16.25 49.31,16.25 v1(49.36,16.2)
  L3_3v8+GNDA.Cu w0.2: v1(9.4,37.2) 9.4,39.12 11.38,41.1 16.18,41.1 19.58,44.5 25.3,44.5 26.7,45.9 26.7,47.5 28.31,49.11 28.31,76.18 31.7,79.57 31.7,81.4 v1(33.5,83.2) ; v1(21.39,33) 20.19,33 ; v1(14.96,32.55) 15.36,32.95 20.1,32.95
  L6_GND.Cu w0.18: 50.25,21.11 U8.6 ; U10.6 35.65,82.3
  L6_GND.Cu w0.2: v1(30.8,15.4) 30.21,15.4 28.41,17.2 28.26,17.2 28.11,17.35 28.11,19.34 25.3,22.15 23.35,22.15 22.4,23.11 22.4,24.49 17.99,28.9 16.1,28.9 14.6,30.4 14.6,32.19 v1(14.96,32.55) 14.91,32.6 14.4,32.6 ; 9.05,36.45 9,36.5 6.64,36.5 R29.2 ; 9.05,36.45 9.45,36.05 9.45,35.55 12.42,32.58 14.44,32.58 ; 9.05,36.45 9.4,36.8 v1(9.4,37.2) ; v1(33.5,83.2) 33.9,83.2 34.1,83 34.95,83 35.65,82.3 ; 50.25,21.11 49.99,20.86 49.99,17.49 49.36,16.86 v1(49.36,16.2)
